# Altium PCB pcb.PcbDoc (part 3 of 4)
Units mm, origin at the board's own origin, x right, y up, seen from the top; angles counter-clockwise.
Board outline 92 x 92 mm, 4 copper layers (L1, L2, L3, L4), stack 1.534 mm thick; 214 components, 261 nets, 929 pads, 637 vias.
Unrouted connection lines stored in the file: 79.
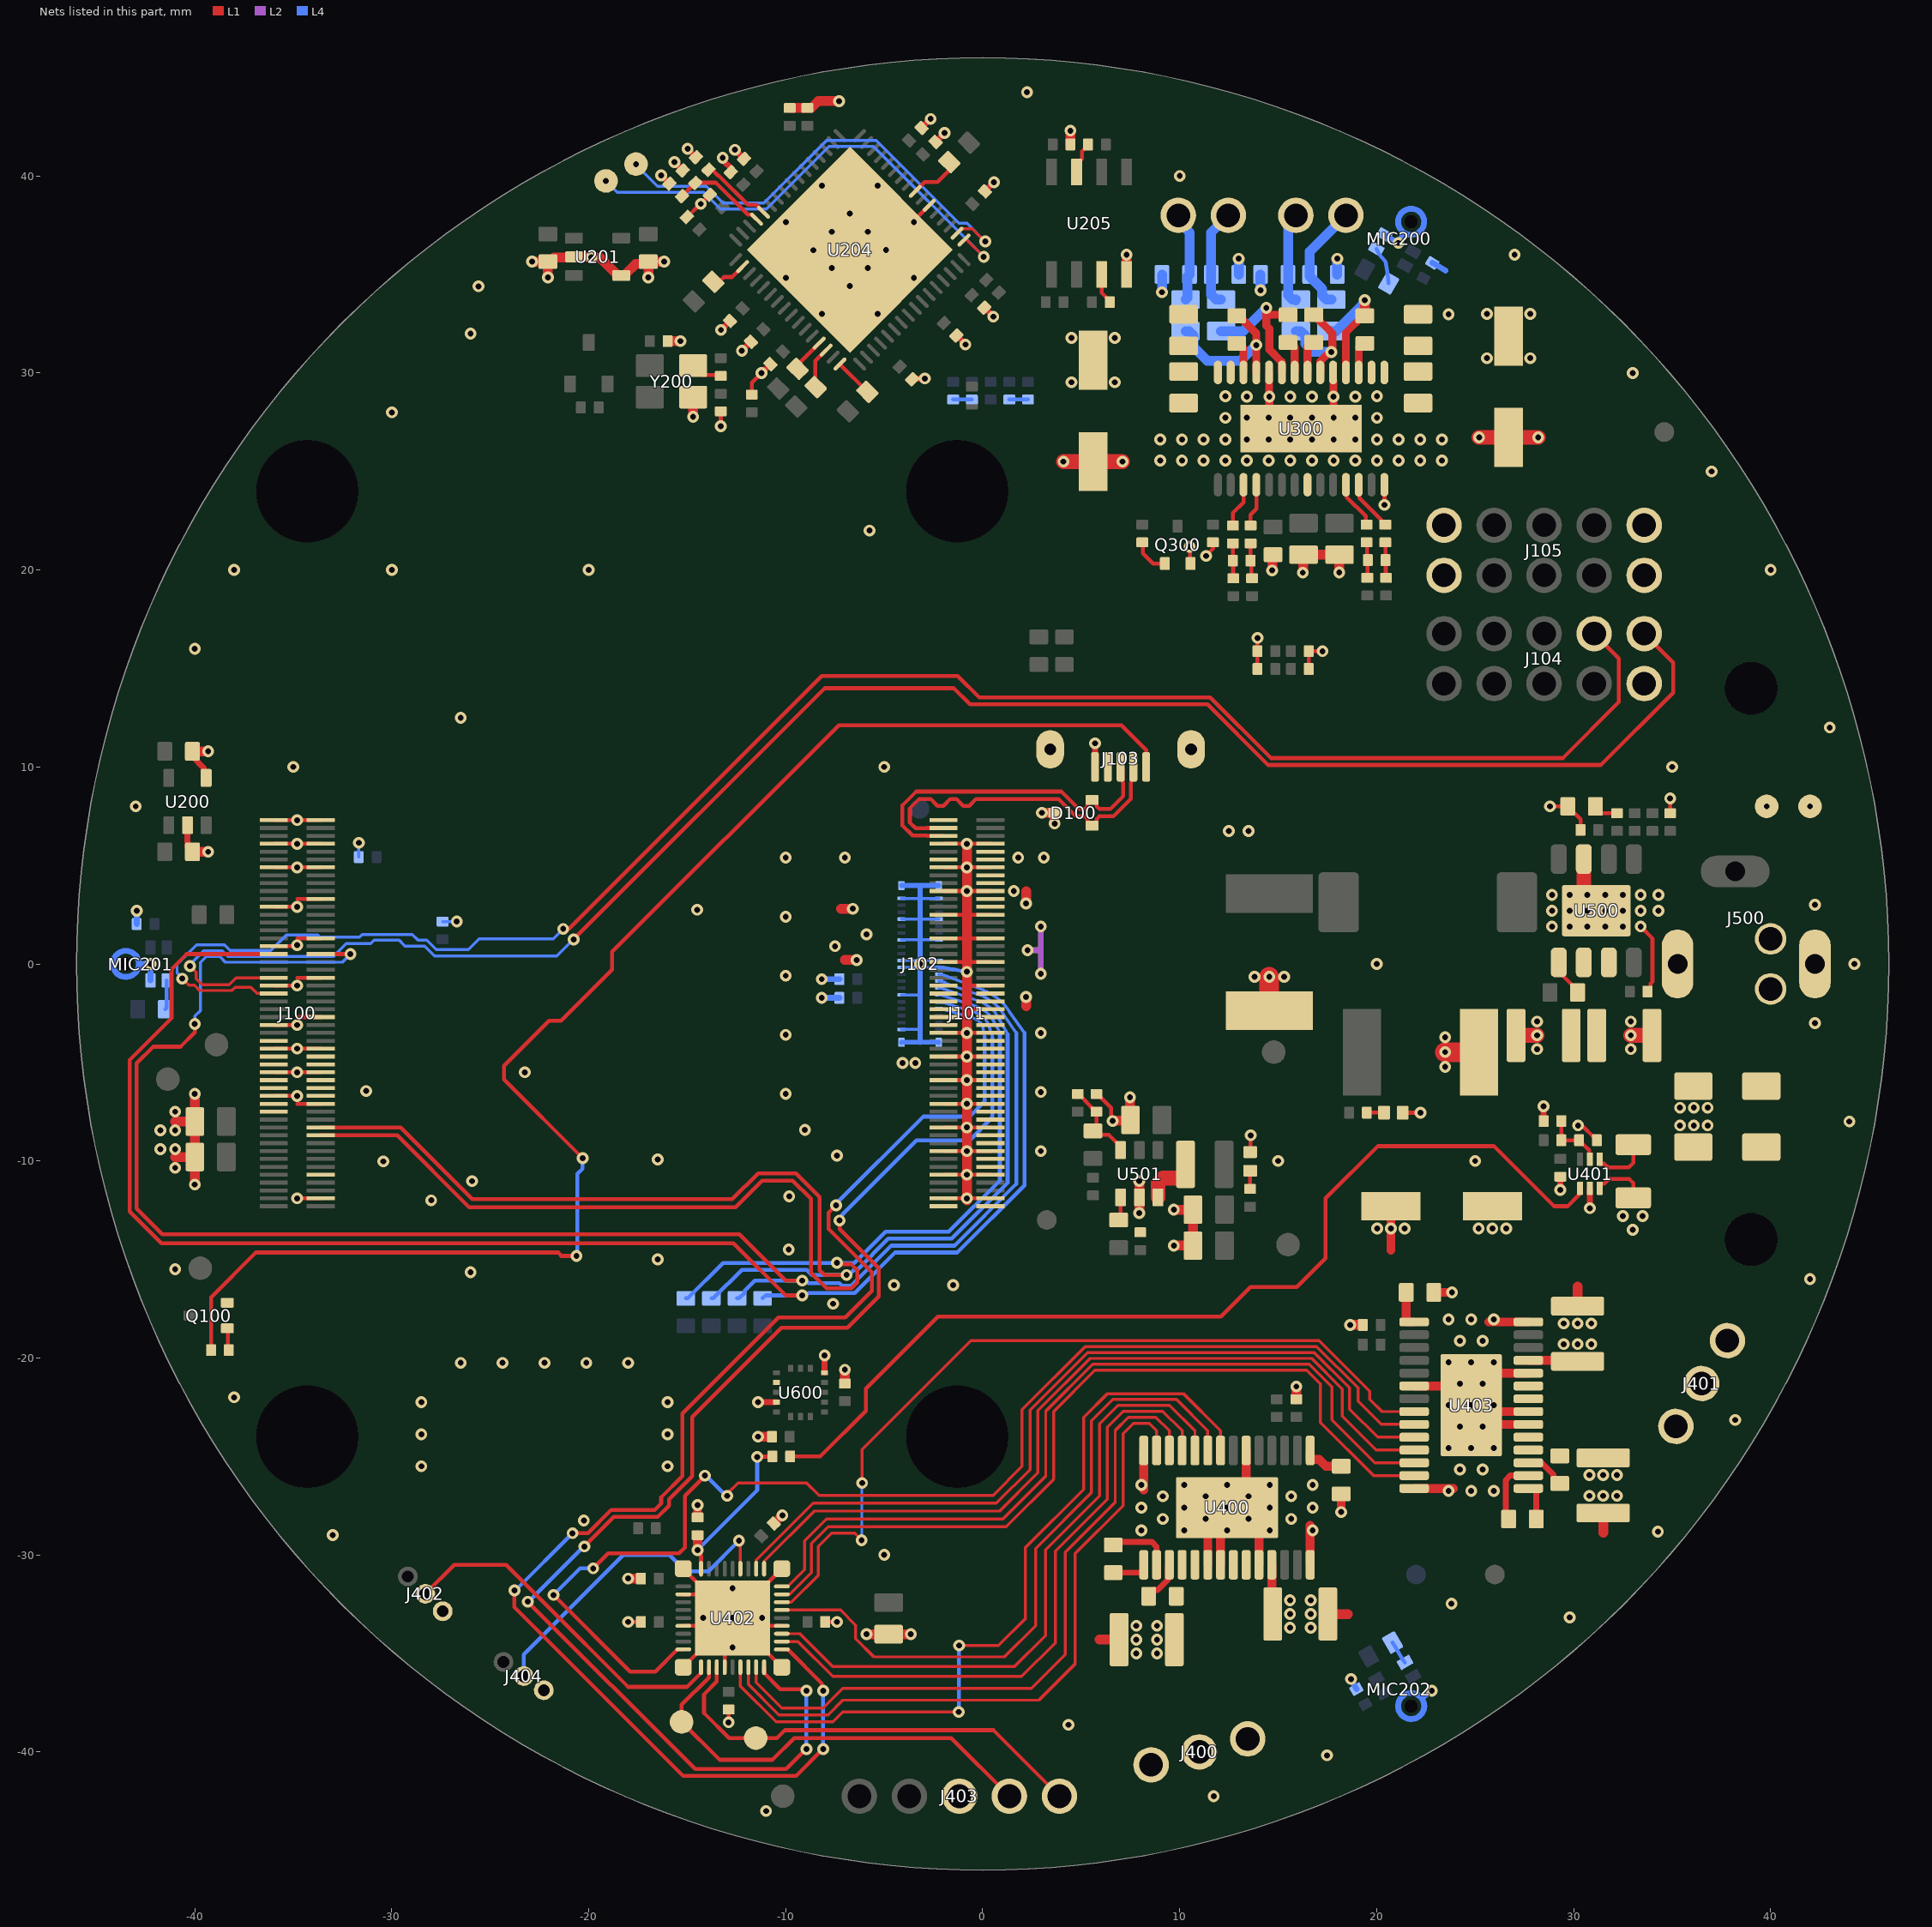
[diagram p5: the nets of this part, all layers, seen from the top]

## Via types
v1: diameter 0.6, hole 0.3, L1 to L4, tented both sides, 634 vias
v2: diameter 0.6/0.6/0.6/0.6 (per signal layer), hole 0.3, L1 to L4, tented both sides, 3 vias

## Nets (pads, with @x,y where several pads share a name; then routed paths per layer and width w, separated by ;. In a path a pad name is that pad's centre, name@x,y a point inside that pad or via, vN(x,y) a via of type N, cw(c..) or ccw(c..) an arc to the next point about the centre after c; other vN are vias at no path point) (continued)
GND: C100.1 C101.1 C102.1 C103.1 C106.1 C107.1 C200.1 C203.1 C204.1 C205.1 C208.1 C209.1 C210.1 C211.1 C212.1 C213.1 C214.1 C215.1 C216.1 C217.1 C218.1 C219.1 C220.1 C221.1 C222.1 C223.1 C224.1 C225.1 C226.1 C228.1 C229.1 C230.1 C300.2 C301.2 C302.1 C303.1 C304.1 C305.1 C307.1 C309.1 C312.1 C314.1 C318.1 C319.1 C400.1 C401.2 C402.1 C403.1 C406.1 C409.1 C410.1 C411.1 C412.1 C413.1 C414.1 C415.1 C421.1 C422.1 C423.1 C424.1 C500.1 C501.1 C502.1 C503.1 C504.1 C506.2 C507.2 C509.1 C511.1 C512.1 C600.1 C601.1 D100.3 D500.K D501.K J100.1 J100.2 J100.7 J100.8 J100.13 J100.14 J100.22 J100.23 J100.32 J100.33 J100.42 J100.43 J100.52 J100.53 J100.59 J100.60 J100.65 J100.66 J100.71 J100.74 J100.98 J101.7 J101.8 J101.13 J101.14 J101.19 J101.20 J101.25 J101.26 J101.31 J101.32 J101.37 J101.38 J101.44 J101.50 J101.55 J101.56 J101.61 J101.62 J101.67 J101.68 J101.73 J101.74 J101.79 J101.80 J101.85 J101.86 J101.91 J101.92 J101.97 J101.98 J102.1 J102.2 J102.7 J102.8 J102.13 J102.14 J102.19 J102.20 J102.21 J102.22 J102.30 J102.40 J102.41 J102.42 J102.43 J102.44 J103.5 J103.MNT1 J103.MNT2 J104.9 J105.9 J105.10 J402.3 J403.3 J404.3 J500.2 J501.2 MIC200.2 MIC200.3 MIC201.2 MIC201.3 MIC202.3 Q100.2 Q300.2 R202.1 R208.1 R209.2 R214.2 R216.2 R217.2 R221.1 R306.1 R307.1 R405.1 R412.1 R413.1 R502.1 R508.1 R509.1 TP507.1 U200.2 U200.4 U201.2 U201.4 U204.54 U204.65 U205.4 U300.8 U300.14 U300.19 U300.24 U300.29 U400.6 U400.7 U400.10 U400.14 U400.20 U400.28 U400.29 U401.2 U402.11 U402.15 U402.22 U402.31 U402.37 U402.38 U402.39 U402.40 U402.41 U403.6 U403.7 U403.10 U403.14 U403.20 U403.28 U403.29 U500.7 U500.9 U501.2 U600.5 U600.10 U600.12 Y200.2 | length 276
  L1 w0.2: J100.71@-35.99,-6.7 v1(-34.8,-6.7) ; J100.65@-35.99,-5.5 J100.66@-33.61,-5.5 ; J100.59@-35.99,-4.3 J100.60@-33.61,-4.3 ; J100.53@-35.99,-3.1 v1(-34.8,-3.1) ; J100.43@-35.99,-1.1 v1(-34.8,-1.1) ; J100.33@-35.99,0.9 -34.85,0.9 v1(-34.8,0.95) ; J100.23@-35.99,2.9 v1(-34.8,2.9) ; J100.13@-35.99,4.9 J100.14@-33.61,4.9 ; J100.7@-35.99,6.1 J100.8@-33.61,6.1 ; J100.1@-35.99,7.3 J100.2@-33.61,7.3 ; v1(-34.8,-11.9) J100.98@-33.61,-11.9 ; -34.8,-7.1 J100.74@-33.61,-7.1 ; -34.8,-2.7 J100.52@-33.61,-2.7 ; -34.8,-0.7 J100.42@-33.61,-0.7 ; -34.8,1.3 J100.32@-33.61,1.3 ; -34.8,3.3 J100.22@-33.61,3.3 ; v1(-18,-33.4) C413.1@-17.35,-33.4 ; U402.40@-15.2,-35.7 v1(-12.7,-33.2) ; U402.15@-15.2,-33.6 -14.5,-33.6 -14.2,-33.3 v1(-14.2,-33.2) ; U402.11@-15.2,-32 -13.9,-32 v1(-12.7,-33.2) ; U402.39@-15.2,-30.7 v1(-12.7,-33.2) ; R202.1@-15.018,37.918 -14.998,37.918 -14.333,38.583 v1(-14.312,38.583) C212.1@-13.853,39.043 ; v1(-13.3,27.3) R221.1@-13.3,28.05 ; U402.22@-13.1,-35.7 -13.1,-35 -12.8,-34.7 v1(-12.7,-34.7) ; v1(-12.9,-38.5) C412.1@-12.9,-37.85 ; R208.1@-11.725,28.9 -11.725,29.504 v1(-11.237,29.992) ; v1(-11.2,-33.2) -11.2,-33.3 -10.9,-33.6 U402.31@-10.2,-33.6 ; U402.41@-10.2,-35.7 v1(-12.7,-33.2) ; U402.38@-10.2,-30.7 v1(-12.7,-33.2) ; C411.1@-8,-33.4 v1(-7.4,-33.4) ; v1(-3.494,37.664) -3.494,37.735 U204.54@-2.716,38.513 ; J101.97@-1.99,-11.9 v1(-0.8,-11.9) J101.98@0.39,-11.9 ; J101.91@-1.99,-10.7 v1(-0.8,-10.7) J101.92@0.39,-10.7 ; J101.85@-1.99,-9.5 v1(-0.8,-9.5) J101.86@0.39,-9.5 ; J101.79@-1.99,-8.3 v1(-0.8,-8.3) J101.80@0.39,-8.3 ; J101.73@-1.99,-7.1 v1(-0.8,-7.1) J101.74@0.39,-7.1 ; J101.67@-1.99,-5.9 v1(-0.8,-5.9) J101.68@0.39,-5.9 ; J101.61@-1.99,-4.7 v1(-0.8,-4.7) J101.62@0.39,-4.7 ; J101.55@-1.99,-3.5 v1(-0.8,-3.5) J101.56@0.39,-3.5 ; J101.37@-1.99,0.1 -0.8,0.1 J101.38@0.39,0.1 ; J101.31@-1.99,1.3 -0.8,1.3 J101.32@0.39,1.3 ; J101.25@-1.99,2.5 -0.8,2.5 J101.26@0.39,2.5 ; J101.19@-1.99,3.7 v1(-0.8,3.7) J101.20@0.39,3.7 ; J101.13@-1.99,4.9 v1(-0.8,4.9) J101.14@0.39,4.9 ; J101.7@-1.99,6.1 v1(-0.8,6.1) J101.8@0.39,6.1 ; -0.8,-2.3 J101.50@0.39,-2.3 ; -0.8,-1.1 J101.44@0.39,-1.1 ; R509.1@5.774,-6.599 5.824,-6.599 6.525,-7.3 6.525,-7.9 v1(6.6,-7.975) ; v1(10.5,21.175) 10.525,21.15 10.525,20.35 Q300.2@10.55,20.325 ; D501.K@13.575,-9.55 13.587,-9.537 13.587,-8.713 v1(13.6,-8.7) ; C307.1@16.039,20.775 C307.1@16.289,20.775 ; R306.1@16.55,14.975 R307.1@16.55,15.875 v1(17.25,15.875) ; U300.14@20.389,24.325 20.395,24.32 20.395,23.305 v1(20.4,23.3) ; D500.K@21.325,-7.55 21.327,-7.552 22.223,-7.552 v1(22.225,-7.553) ; v1(28.8,8) C504.1@29.7,8 29.7,7.9 29.975,7.625 30.075,7.625 30.35,7.35 C501.1@30.35,6.8 ; v1(30.225,-8.2) 30.302,-8.277 30.502,-8.277 30.975,-8.75 31.025,-8.75 31.175,-8.9 R405.1@31.175,-8.95 ; v1(33.4,1.9) 34,1.3 34,-0.9 33.9,-1 33.9,-1.25 R508.1@33.75,-1.4 ; R502.1@34.9,7.65 v1(34.9,8.4)
  L1 w0.3: U200.2@-40.373,7.044 -40.373,6.194 -40.348,6.169 -40.348,5.919 C203.1@-40.123,5.694 ; C204.1@-40.123,10.794 -40.123,10.533 -39.548,9.958 -39.548,9.569 U200.4@-39.423,9.444 ; v1(-16.328,40.033) C223.1@-15.903,39.609 ; v1(-15.656,40.705) C222.1@-15.232,40.281 ; v1(-14.984,41.377) C224.1@-14.56,40.952 ; v1(-13.287,32.184) C215.1@-12.828,32.644 ; v1(-13.2,40.925) -13.143,40.868 -13.143,40.755 -12.758,40.37 -12.758,40.229 C221.1@-12.793,40.193 ; v1(-12.578,41.328) C220.1@-12.118,40.868 ; v1(-12.227,31.123) C211.1@-11.767,31.583 ; v1(-11.4,-22.25) U600.12@-10.475,-22.25 ; v1(-11.237,29.992) C216.1@-10.777,30.452 ; U600.5@-8.025,-20.75 v1(-8.025,-19.875) ; v1@-7.081,-20.6 v1(-7,-20.6) ; C214.1@-3.582,29.682 -3.546,29.717 -2.937,29.717 v1(-2.934,29.72) ; C208.1@-3.105,42.437 v1(-2.645,42.897) ; C218.1@-2.398,41.73 v1(-1.938,42.19) ; C219.1@-1.337,31.901 v1(-0.877,31.442) ; C213.1@0.077,33.316 v1(0.537,32.856) ; C209.1@0.112,39.22 v1(0.572,39.679) ; J103.5@5.7,10 v1(5.7,11.2) ; C410.1@28.475,-7.975 v1(28.475,-7.225) ; v1(29.325,-11.475) C400.1@29.325,-10.8 ; v1(30.825,-12.4) U401.2@30.825,-11.39
  L1 w0.4: v1(14.514,27.725) 14.55,27.761 v1(14.55,28.8) 14.539,28.81 U300.24@14.539,30.025 ; U300.19@17.789,30.025 17.789,29.625 17.8,29.614 17.8,27.739 v1(17.814,27.725)
  L1 w0.45: C406.1@-14.475,-28.1 v1(-14.475,-27.475) ; C423.1@-10.607,-28.407 -10.6,-28.407 -10.181,-27.988 v1(-10.174,-27.988) ; v1@8.175,-26.7 U400.28@8.175,-24.7 ; U400.6@11.425,-30.5 U400.29@11.425,-28.5 ; U400.7@12.075,-30.5 U400.29@12.075,-28.5 ; U400.29@13.375,-26.7 U400.20@13.375,-24.7 ; U400.10@14.025,-30.5 U400.29@14.025,-28.5 ; U400.14@16.625,-30.5 v1@16.625,-28.5 ; v1(18.2,-27.825) C409.1@18.2,-26.9 ; 20.725,-14.525 C401.2@20.725,-12.3 ; U403.28@21.9,-26.625 v1@23.9,-26.625 ; U403.20@21.9,-21.425 U403.29@23.9,-21.425 ; C421.1@22.9,-16.675 v1(23.825,-16.675) ; U403.29@25.7,-23.375 U403.6@27.7,-23.375 ; U403.29@25.7,-22.725 U403.7@27.7,-22.725 ; U403.29@25.7,-20.775 U403.10@27.7,-20.775 ; v1@25.7,-18.175 U403.14@27.7,-18.175
  L1 w0.5: -41,-9.8 C102.1@-40,-9.8 ; -41,-8 C103.1@-40,-8 ; C203.1@-40.123,5.694 v1(-39.323,5.694) ; C204.1@-40.123,10.794 v1(-39.323,10.794) ; v1(-40,-11.2) v1(-40,-6.6) ; v1(-22.875,35.65) C205.1@-22.075,35.65 ; v1(-22.075,34.85) C205.1@-22.075,35.65 ; v1(-18,-31.2) C422.1@-17.35,-31.2 ; v1(-16.975,34.85) C200.1@-16.975,35.65 ; v1(-16.175,35.65) C200.1@-16.975,35.65 ; C230.1@-15.999,31.616 v1(-15.349,31.616) ; v1(-14.702,27.774) Y200.2@-14.702,28.774 ; v1(-11.4,-24) C601.1@-10.7,-24 ; C210.1@-9.8,43.45 -8.707,43.45 -8.357,43.8 v1(-7.287,43.8) ; -7.2,2.8 v1(-6.6,2.8) ; C600.1@-7,-21.3 v1(-7,-20.6) ; -7,0.2 v1(-6.4,0.2) ; v1(-5.9,-34.025) C424.1@-4.775,-34.025 v1(-3.65,-34.025) ; v1@-0.8,-12 v1(-0.8,-11.9) v1(-0.8,-10.7) v1(-0.8,-9.5) v1(-0.8,-8.3) v1(-0.8,-7.1) v1(-0.8,-5.9) v1(-0.8,-4.7) v1(-0.8,-3.5) -0.8,-2.3 -0.8,-1.1 -0.8,0.1 -0.8,1.3 -0.8,2.5 v1(-0.8,3.7) v1(-0.8,4.9) v1(-0.8,6.1) v1@-0.8,6.104 ; 2.2,-2.15 v1(2.2,-1.675) ; v1(2.2,3.075) 2.2,3.7 ; v1(3,7.675) D100.3@3.65,7.675 v1(3.65,7.125) ; C226.1@4.45,41.6 v1(4.45,42.3) ; 5.925,-34.3 C402.1@6.925,-34.3 ; v1(6.6,-7.975) 6.619,-7.956 C509.1@7.469,-7.956 ; U205.4@7.305,35 v1(7.305,36) ; v1(7.475,-6.775) 7.487,-6.787 7.487,-7.912 C509.1@7.5,-7.925 ; v1(7.95,-12.65) U501.2@7.95,-11.85 v1(7.95,-11.025) ; v1(9.7,-14.3) C512.1@10.675,-14.3 C511.1@10.675,-12.475 v1(9.7,-12.475) ; R412.1@15.925,-22.1 v1(15.925,-21.45) ; v1(16.248,19.865) 16.267,19.884 16.267,20.753 C307.1@16.289,20.775 18.1,20.775 18.107,20.768 18.107,19.882 v1(18.1,19.875) ; C403.1@17.525,-33 18.525,-33 ; v1(18.65,-18.325) R413.1@19.3,-18.325 ; C415.1@30.2,-17.375 30.2,-16.375 ; 31.5,-28.875 C414.1@31.5,-27.875 ; C205.1@-22.075,35.65 -21.975,35.65 -21.754,35.871 -20.775,35.871 U201.2@-20.75,35.896 -20.74,35.885 -19.885,35.885 v1(-19.875,35.875) -19.856,35.856 -19.435,35.856 -18.525,34.946 -18.175,34.946 -18.15,34.971 -18.15,35 -17.625,35.525 -17.1,35.525 C200.1@-16.975,35.65
  L1 w0.75: v1(4.1,25.5) C300.2@5.6,25.5 v1(7.1,25.5) ; v1(25.2,26.725) C301.2@26.7,26.725 v1(28.2,26.725) ; C503.1@27.075,-3.625 v1(28.15,-3.625) ; U500.9@30.515,3.6 U500.7@30.515,5.325 ; v1(32.9,-3.625) C502.1@33.975,-3.625
  L1 w1: C507.2@14.55,-2.375 v1(14.55,-0.65) ; v1(23.475,-4.475) C506.2@25.2,-4.475
  L2 w0.3: v1(2.275,0.7) 2.95,0.7 ; v1(2.95,-0.5) 2.95,0.7 ; v1(2.95,1.9) 2.95,0.7
  L4 w0.15: C101.1@-31.675,5.425 v1(-31.675,6.15) ; C100.1@-27.425,2.15 v1(-26.7,2.15) ; J102.40@-4.125,-3.325 -3.175,-3.325 ; J102.30@-4.125,-1.575 -3.175,-1.575 ; J102.22@-4.125,-0.175 -3.175,-0.175 J102.21@-2.225,-0.175 ; J102.20@-4.125,0.175 -3.175,0.175 J102.19@-2.225,0.175 ; J102.14@-4.125,1.225 -3.175,1.225 J102.13@-2.225,1.225 ; J102.8@-4.125,2.275 -3.175,2.275 J102.7@-2.225,2.275 ; J102.2@-4.125,3.325 -3.175,3.325 J102.1@-2.225,3.325
  L4 w0.2: J102.21@-2.225,-0.175 -2.029,-0.185 cw(c-2.043,-0.453) -1.996,-0.189 v1(-0.8,-0.4) ; R209.2@-1.501,28.65 R214.2@-0.55,28.65 ; R216.2@1.35,28.65 R217.2@2.301,28.65
  L4 w0.25: J102.43@-4.12,-3.98 -4.12,-3.975 -3.175,-3.975 -2.27,-3.975 J102.42@-2.23,-3.98 ; J102.44@-4.12,3.98 -3.175,3.98 J102.41@-2.23,3.98
  L4 w0.275: -3.175,-3.975 -3.175,-1.575 -3.175,-0.175 -3.175,0.175 -3.175,1.225 -3.175,2.275 -3.175,3.325 -3.175,3.98
  L4 w0.3: C228.1@-42.95,2.025 v1(-42.95,2.7) ; -42.838,0 v1(-42.248,0) MIC201.2@-42.248,-0.837 ; v1(-8.175,-1.725) C107.1@-7.275,-1.725 ; v1(-8.175,-0.775) C106.1@-7.275,-0.775 ; v1(18.7,-36.3) C229.1@18.975,-36.81 ; MIC200.2@20.396,37.008 20.58,36.9 v1(21.1,36.6) 21.404,37.107 ; 22.274,-37.267 v1(22.8,-36.9) ; C225.1@22.825,35.59 22.955,35.515 23.5,35.2
  L4 w0.5: v1(9.1,34.1) C318.1@9.1,35 ; C319.1@13,35 v1(13,35.8) ; v1(14.1,34.2) C312.1@14.1,35 ; C314.1@18,35 v1(18,35.8)
  other v1: -11,-43 11.725,-42.25 17.475,-40.175 4.35,-38.625 7.8,-35 7.8,-34.3 16.65,-33.7 7.8,-33.6 29.8,-33.175 16.65,-33 23.8,-32.475 16.65,-32.3 -12.7,-31.7 -5,-30 -33,-29 34.275,-28.825 8.05,-28.75 10.225,-28.75 12.4,-28.75 14.575,-28.75 16.75,-28.75 -20.25,-28.25 9.138,-28.175 11.313,-28.175 13.487,-28.175 15.663,-28.175 8.05,-27.6 10.225,-27.6 12.4,-27.6 14.575,-27.6 16.75,-27.6 9.138,-27.025 11.312,-27.025 13.487,-27.025 15.663,-27.025 30.8,-27 31.5,-27 32.2,-27 23.65,-26.75 24.8,-26.75 25.95,-26.75 8.05,-26.45 10.225,-26.45 12.4,-26.45 14.575,-26.45 16.75,-26.45 24.225,-25.662 25.375,-25.662 -28.5,-25.5 -16,-25.5 23.65,-24.575 24.8,-24.575 25.95,-24.575 -28.5,-23.875 -16,-23.875 24.225,-23.487 25.375,-23.487 38.2,-23.15 23.65,-22.4 24.8,-22.4 25.95,-22.4 -28.5,-22.25 -16,-22.25 -38,-22 24.225,-21.312 25.375,-21.312 -26.5,-20.25 -24.375,-20.25 -22.25,-20.25 -20.125,-20.25 -18,-20.25 23.65,-20.225 24.8,-20.225 25.95,-20.225 24.225,-19.137 25.375,-19.137 29.5,-18.25 30.2,-18.25 30.9,-18.25 23.65,-18.05 24.8,-18.05 25.95,-18.05 -7.6,-17.25 -4.5,-16.3 -1.5,-16.3 42,-16 -26,-15.65 -41,-15.5 -16.5,-15 -9.85,-14.5 20.025,-13.425 20.725,-13.425 21.425,-13.425 -28,-12 -9.825,-11.8 -25.925,-11.025 -41,-10.35 -30.425,-10.025 15,-10 25,-10 -16.5,-9.925 -7.4,-9.725 2.95,-9.5 -41.75,-9.4 -41,-9.4 -41.75,-8.45 -41,-8.45 -9.025,-8.425 44,-8 -41,-7.5 -10,-6.6 2.95,-6.5 -31.3,-6.45 -34.8,-5.5 -23.25,-5.5 23.475,-5.225 -4.075,-5.025 -3.425,-5.025 28.15,-4.325 32.9,-4.325 -34.8,-4.3 23.475,-3.725 -10,-3.6 2.95,-3.5 42.25,-3 28.15,-2.925 32.9,-2.925 13.8,-0.65 15.3,-0.65 -10,-0.6 -3.175,0 20,0 44.25,0 -7.5,0.9 -5.9,1.5 28.9,1.9 29.8,1.9 30.7,1.9 31.6,1.9 32.5,1.9 -10,2.4 28.9,2.7 29.8,2.7 30.7,2.7 31.6,2.7 32.5,2.7 33.4,2.7 34.3,2.7 -14.5,2.75 42.25,3 28.9,3.5 29.8,3.5 30.7,3.5 31.6,3.5 32.5,3.5 33.4,3.5 34.3,3.5 1.58,3.7 -34.8,4.9 -10,5.4 -7,5.4 1.8,5.4 3.1,5.4 -34.8,6.1 12.5,6.75 13.5,6.75 -34.8,7.3 -43,8 42,8 -35,10 -5,10 35,10 43,12 -26.5,12.5 -40,16 -38,20 -30,20 -20,20 40,20 -5.75,22 37,25 9.014,25.55 10.114,25.55 11.214,25.55 12.314,25.55 13.414,25.55 16.714,25.55 17.814,25.55 18.914,25.55 20.014,25.55 21.114,25.55 22.214,25.55 23.314,25.55 9.014,26.625 10.114,26.625 11.214,26.625 12.314,26.625 13.414,26.625 14.514,26.625 15.614,26.625 16.714,26.625 17.814,26.625 18.914,26.625 20.014,26.625 21.114,26.625 22.214,26.625 23.314,26.625 12.314,27.725 13.414,27.725 15.614,27.725 16.714,27.725 18.914,27.725 20.014,27.725 -30,28 13.414,28.8 16.714,28.8 17.8,28.8 18.914,28.8 12.314,28.825 20.014,28.825 33,30 -26,32 23.65,32.975 -8.161,32.997 -5.332,32.997 -25.6,34.4 -6.746,34.412 -9.999,34.836 -3.494,34.836 -7.666,35.331 -5.827,35.331 27,36 -8.603,36.232 -4.908,36.25 -7.666,37.169 -5.827,37.169 -9.999,37.664 -6.746,38.088 -8.161,39.503 -5.332,39.503 10,40 2.25,44.25
  other v2: 14.514,25.55 15.614,25.55 15.614,28.8
GPIO24: J100.45 J104.8 | length 93.1
  L1 w0.15: v1(-40.635,-0.747) -40.299,-1.083 -40.017,-1.083 -39.75,-1.35 -38.125,-1.35 -37.957,-1.182 -37.158,-1.182 -36.84,-1.5 J100.45@-35.99,-1.5
  L1 w0.2: v1(-21.301,1.776) -21.019,1.776 -8.173,14.622 -1.272,14.622 -0.175,13.525 11.556,13.525 14.631,10.45 29.45,10.45 32.3,13.3 32.3,15.51 J104.8@31.04,16.77
  L4 w0.15: v1(-40.635,-0.747) -40.635,-0.709 -40.9,-0.445 -40.9,-0.015 -39.91,0.975 -38.493,0.975 -38.205,0.687 -36.138,0.687 -35.35,1.475 -33.763,1.475 -33.64,1.352 -31.644,1.352 -31.496,1.5 -28.967,1.5 -28.667,1.2 -28.214,1.2 -27.739,0.725 -26.107,0.725 -25.557,1.275 -21.803,1.275 v1(-21.301,1.776)
GPIO25: J100.41 J104.10 | length 93.8
  L1 w0.15: v1(-40.248,-0.105) -39.932,-0.421 -39.932,-0.743 -39.625,-1.05 -38.249,-1.05 -37.899,-0.7 J100.41@-35.99,-0.7
  L1 w0.2: v1(-20.771,1.246) -8.022,13.995 -1.47,13.995 -0.65,13.175 11.411,13.175 14.486,10.1 31.375,10.1 35.05,13.775 35.05,15.3 J104.10@33.58,16.77
  L4 w0.15: v1(-40.248,-0.105) -40.248,-0.031 -39.542,0.675 -38.617,0.675 -38.33,0.387 -32.955,0.387 -32.317,1.025 -31.078,1.025 -30.903,1.2 -29.624,1.2 -29.324,0.9 -28.338,0.9 -27.838,0.4 -21.617,0.4 v1(-20.771,1.246)
HDMI0_CEC: J101.51
HDMI0_CLK_N: J101.90
HDMI0_CLK_P: J101.88
HDMI0_HOTPLUG: J101.53
HDMI0_SCL: J101.100
HDMI0_SDA: J101.99
HDMI0_TX0_N: J101.84
HDMI0_TX0_P: J101.82
HDMI0_TX1_N: J101.78
HDMI0_TX1_P: J101.76
HDMI0_TX2_N: J101.72
HDMI0_TX2_P: J101.70
HDMI1_CEC: J101.49
HDMI1_CLK_N: J101.66
HDMI1_CLK_P: J101.64
HDMI1_HOTPLUG: J101.43
HDMI1_SCL: J101.47
HDMI1_SDA: J101.45
HDMI1_TX0_N: J101.60
HDMI1_TX0_P: J101.58
HDMI1_TX1_N: J101.54
HDMI1_TX1_P: J101.52
HDMI1_TX2_N: J101.48
HDMI1_TX2_P: J101.46
ID_SC: J100.35 J102.23 R101.1 | length 83.5
  L1 w0.2: J100.35@-35.99,0.5 -40.421,0.5 -41.185,-0.265 -41.185,-2.76 -43.3,-4.875 -43.3,-12.57 -41.695,-14.175 -12.65,-14.175 -10,-16.825 v1(-9.17,-16.825)
  L4 w0.15: J102.23@-2.225,-0.525 -2.1,-0.54 -1.987,-0.566 cw(c-2.043,-0.803) -1.957,-0.576 0.023,-1.326 cw(c-0.8,-3.5) 0.578,-1.627 cw(c-0.531,-3.49) 1.35,-2.412 ; 1.35,-2.413 ccw(c1.48,-2.338) 1.357,-2.424 2.114,-3.491
  L4 w0.2: R101.1@-11.174,-16.975 -11.024,-16.825 v1(-9.17,-16.825) -9.093,-16.748 -8.901,-16.748 -8.852,-16.7 -6.5,-16.7 -4.45,-14.65 -1.287,-14.65 2.114,-11.249 2.114,-3.491
ID_SD: J100.36 J102.25 R102.1 | length 88.9
  L1 w0.2: v1(-40,-3.05) -40,-3.472 -40.728,-4.2 -42.105,-4.2 -42.95,-5.045 -42.95,-12.425 -41.65,-13.725 -12.35,-13.725 -10,-16.075 v1(-9.17,-16.075) ; J100.36@-33.61,0.5 v1(-32.1,0.5)
  L4 w0.15: v1(-40,-3.05) -40,-2.65 -39.723,-2.373 -39.723,0.07 -39.417,0.375 -38.742,0.375 -38.454,0.087 -32.513,0.087 v1(-32.1,0.5) ; J102.25@-2.225,-0.875 -2.126,-0.89 -2.126,-0.91 -2.043,-0.91 cw(c-2.043,-1.153) -1.862,-0.991 -0.141,-1.585 cw(c-0.8,-3.5) 0.104,-1.688 cw(c-0.8,-3.5) 0.409,-1.876 0.555,-1.984 cw(c-0.425,-3.311) 0.618,-2.033 ccw(c0.712,-1.916) 0.649,-2.052 0.736,-2.139 cw(c0.525,-2.352) 0.738,-2.141 0.745,-2.148 cw(c0.534,-2.361) 0.747,-2.15 0.834,-2.237 ccw(c0.97,-2.174) 0.853,-2.268 cw(c-0.425,-3.311) 1.013,-2.502 ccw(c1.273,-2.353) 1.041,-2.543 1.7,-3.5
  L4 w0.2: R102.1@-12.474,-16.975 -12.374,-16.975 -12.099,-16.7 -12.099,-16.6 -11.574,-16.075 v1(-9.17,-16.075) -9.093,-16.152 -8.901,-16.152 -8.852,-16.2 -7.278,-16.2 -7.14,-16.337 -6.685,-16.337 -4.647,-14.3 -1.432,-14.3 1.7,-11.168 1.7,-3.5
MOT_A_EN_1: U400.26 U402.26 | length 34.9
  L1 w0.15: U402.26@-11.5,-35.7 -11.5,-36.475 -10.2,-37.775 -8.1,-37.775 -7.1,-36.775 2.475,-36.775 4.195,-35.055 4.195,-29.864 6.725,-27.334 6.725,-23.684 7.397,-23.012 8.787,-23.012 9.475,-23.7 U400.26@9.475,-24.7
MOT_A_EN_2: U400.24 U402.30 | length 33.4
  L1 w0.15: U402.30@-10.2,-34 -9.288,-34 -7.613,-35.675 1.6,-35.675 3.185,-34.09 3.185,-29.743 5.925,-27.003 5.925,-23.353 6.866,-22.412 9.487,-22.412 10.775,-23.7 U400.24@10.775,-24.7
MOT_A_EN_3: U400.22 U402.24 | length 41
  L1 w0.15: U402.24@-12.3,-35.7 -12.3,-36.665 -10.49,-38.475 -7.6,-38.475 -7.1,-37.975 v1(-1.225,-37.975) ; v1(-1.2,-34.6) 0.8,-34.6 2.175,-33.225 2.175,-29.622 5.125,-26.672 5.125,-23.022 6.334,-21.812 10.187,-21.812 12.075,-23.7 U400.22@12.075,-24.7
  L4 w0.2: v1(-1.225,-37.975) -1.212,-37.962 -1.212,-34.612 v1(-1.2,-34.6)
MOT_A_IN_1: U400.27 U402.25 | length 34.9
  L1 w0.15: U402.25@-11.9,-35.7 -11.9,-36.57 -10.345,-38.125 -7.85,-38.125 -7.1,-37.375 2.85,-37.375 4.7,-35.525 4.7,-29.925 7.125,-27.5 7.125,-23.85 7.65,-23.325 8.45,-23.325 8.825,-23.7 U400.27@8.825,-24.7
MOT_A_IN_2: U400.25 U402.29 | length 32.9
  L1 w0.15: U402.29@-10.2,-34.4 -9.383,-34.4 -7.608,-36.175 1.975,-36.175 3.69,-34.46 3.69,-29.804 6.325,-27.169 6.325,-23.519 7.132,-22.712 9.137,-22.712 10.125,-23.7 U400.25@10.125,-24.7
MOT_A_IN_3: U400.23 U402.33 | length 34.5
  L1 w0.15: U402.33@-10.2,-32.8 -7.222,-32.8 -6.45,-33.572 -6.45,-34.253 -5.528,-35.175 1.103,-35.175 2.68,-33.598 2.68,-29.682 5.525,-26.837 5.525,-23.187 6.6,-22.112 9.837,-22.112 11.425,-23.7 U400.23@11.425,-24.7
MOT_A_OUT_1: J400.1 U400.5
MOT_A_OUT_2: J400.2 U400.8
MOT_A_OUT_3: J400.3 U400.9
MOT_ACC_SCL: J102.31 U402.27 | length 72.4
  L1 w0.2: v1(-23.1,-32.375) -14.6,-40.875 -9.975,-40.875 v1(-8.95,-39.85) ; v1(-20.225,-29.575) -18.725,-28.075 -16.5,-28.075 -15.925,-27.5 -15.925,-27.175 -14.75,-26 -14.75,-23 -10.225,-18.475 -6.875,-18.475 -5.275,-16.875 -5.275,-15.45 -7.264,-13.461 -7.264,-13.036 v1(-7.276,-13.024) ; U402.27@-11.1,-35.7 -11.1,-36 -10.277,-36.823 -9.027,-36.823 v1(-8.95,-36.9)
  L4 w0.15: J102.31@-2.225,-1.925 -2.1,-1.94 -1.987,-1.966 cw(c-2.043,-2.203) -1.973,-1.97 -0.475,-2.423 cw(c-0.8,-3.5) -0.128,-2.598 0.021,-2.708 cw(c-0.425,-3.311) 0.289,-3.081 0.483,-3.68 cw(c0.34,-3.726) 0.49,-3.725